# Altium PCB rxPcbM24.PcbDoc
Units mm, origin at the board's own origin, x right, y up, seen from the top; angles counter-clockwise.
Board outline 50.16 x 38.73 mm, 2 copper layers (Top Layer, Bottom Layer); 9 components, 16 nets, 54 pads, 0 vias.
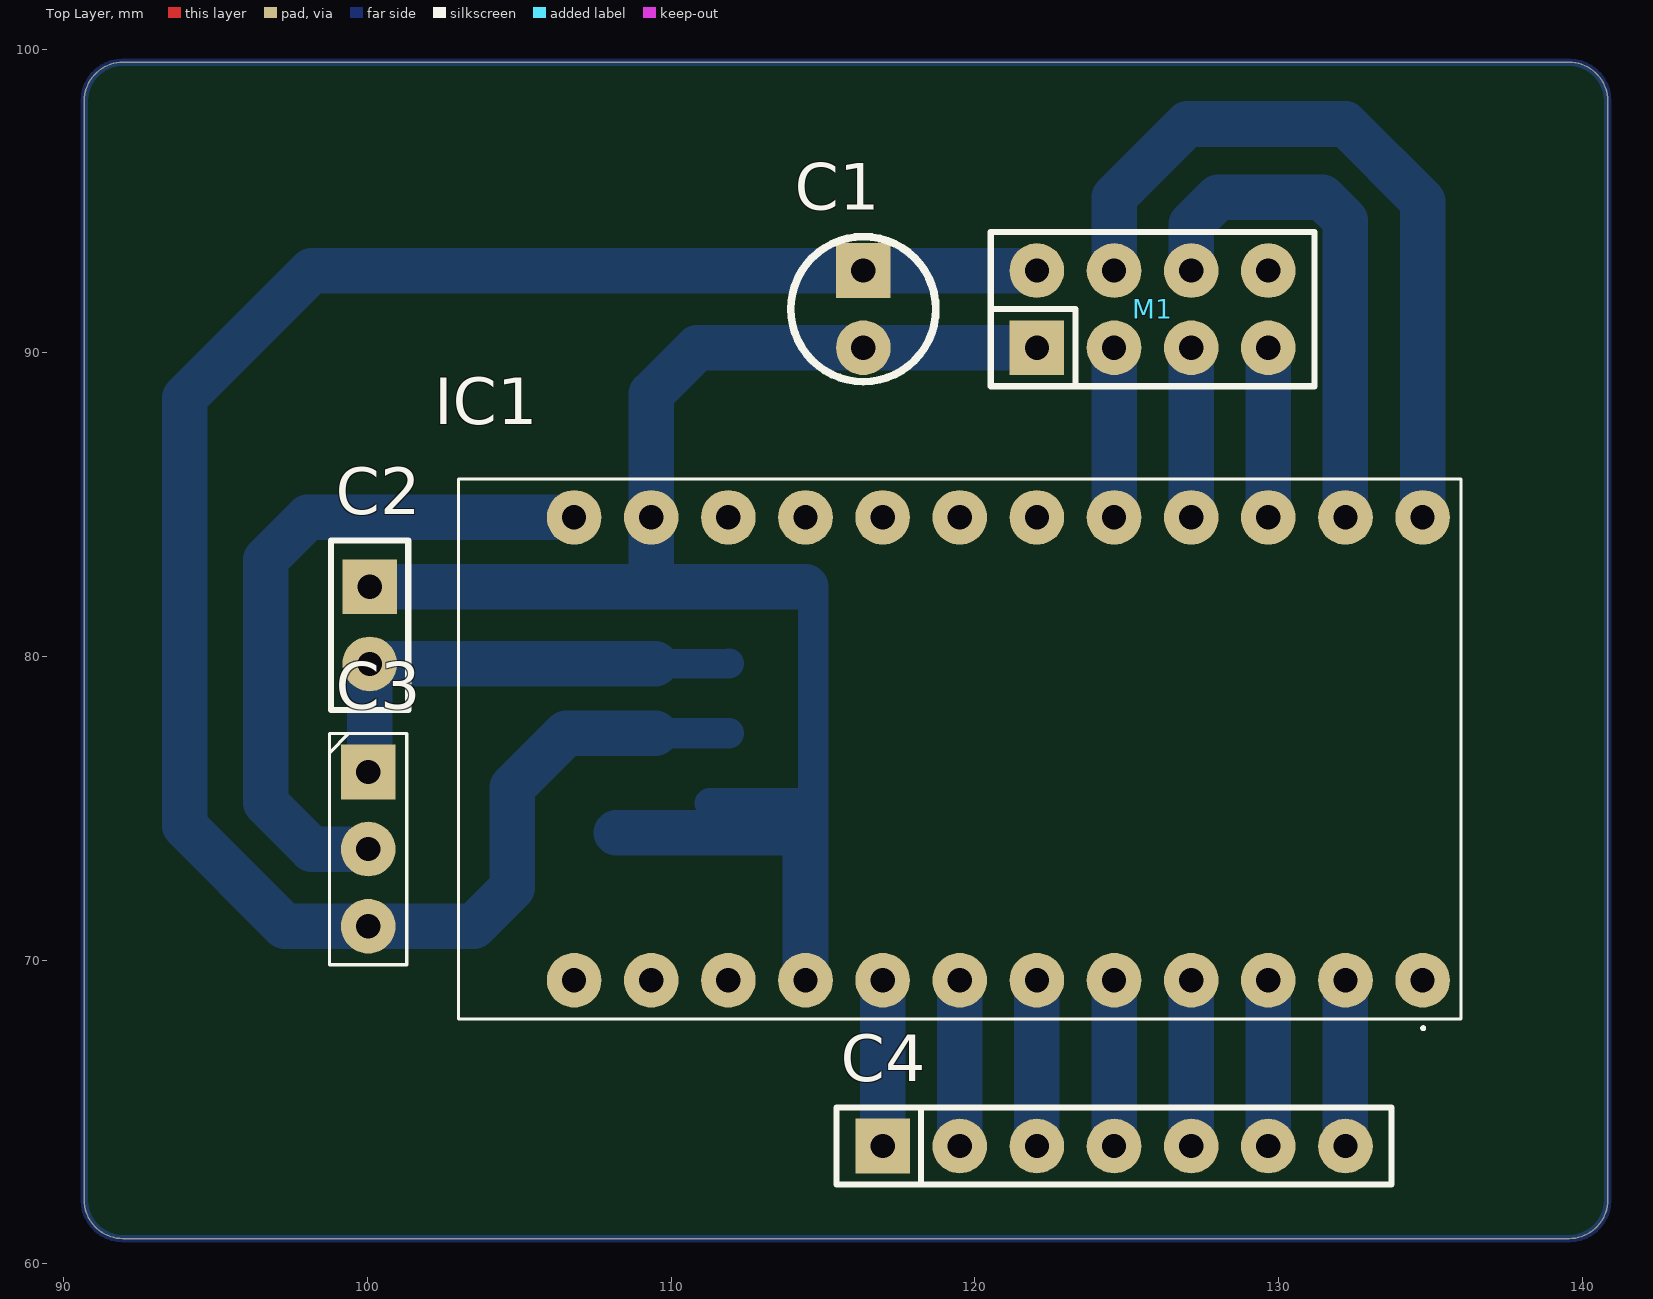
[diagram p0: Top Layer view]
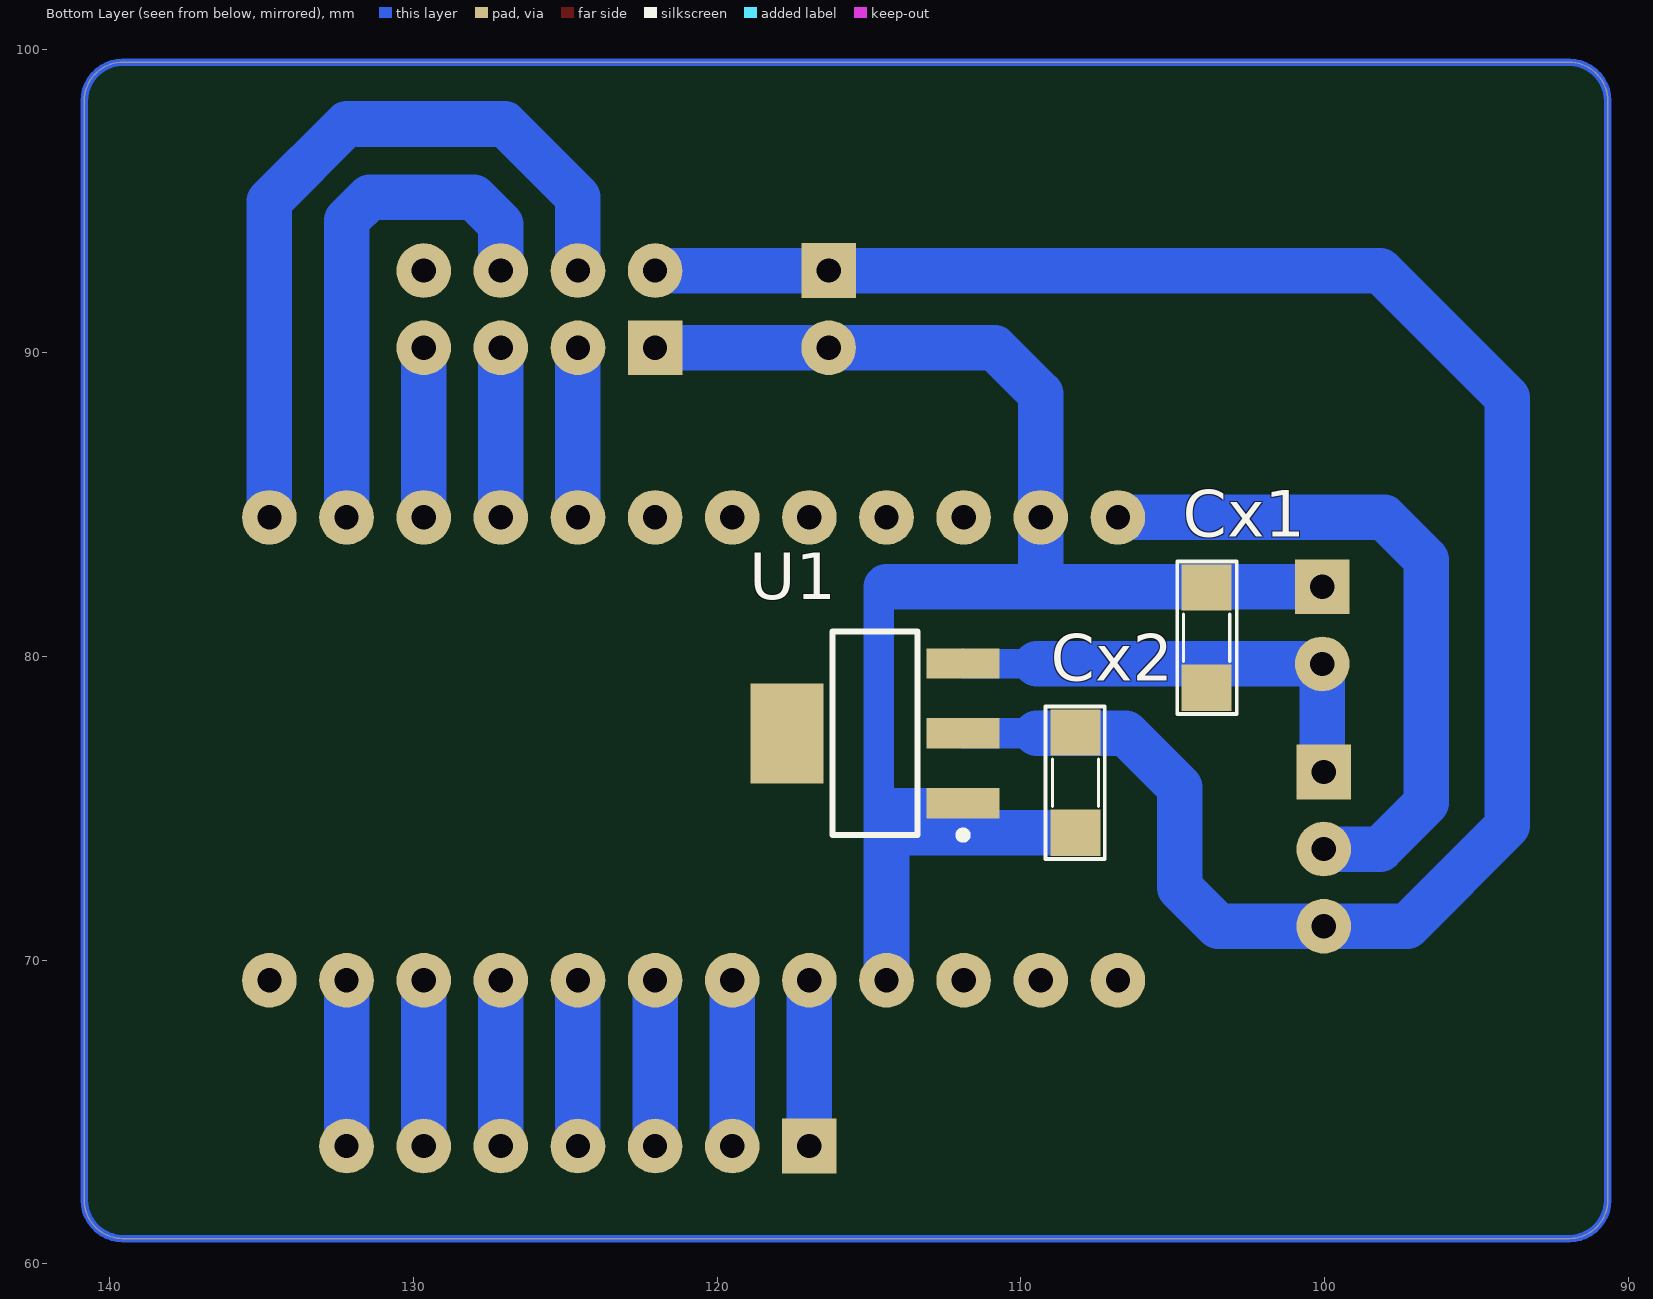
[diagram p1: Bottom Layer view, seen from below]

## Layer stack, top to bottom
Top Solder: solder mask 0.0102, Solder Resist, Dk 3.5
Top Layer: signal copper 0.0356
Dielectric 1: dielectric 0.32, FR-4, Dk 4.8
Bottom Layer: signal copper 0.0356
Bottom Solder: solder mask 0.0102, Solder Resist, Dk 3.5

## Board outline
90.678,62.103 90.678,98.298 cw(c91.948,98.298) 91.948,99.568 139.573,99.568 cw(c139.573,98.298) 140.843,98.298 140.843,62.103 cw(c139.573,62.103) 139.573,60.833 91.948,60.833 cw(c91.948,62.103)

## Design rules (kind name [scope] priority, off if disabled: settings)
Clearance [All] p1: gap=0.6 ignorepadtopadclearanceinfootprint=TRUE except(0.9: Arc-Fill Arc-Poly Arc-Region Track-Fill Track-Poly Track-Region SMDPad-Fill SMDPad-Poly SMDPad-Region THPad-Fill THPad-Poly THPad-Region Via-Fill Via-Poly Via-Region Fill-Fill Fill-Poly Fill-Region Poly-Poly Poly-Region Region-Region)
PolygonConnect [All] p1: connectstyle=Relief reliefconductorwidth=0.254 reliefentries=4 polygonreliefangle="90 Angle" airgapwidth=0.254
RoomDefinition rx [InComponentClass('rx')] p1: confinementstyle=ConfineIn formatcopy=TRUE lockcomponents=FALSE outline 141.986,62.357 152.273,62.357 152.273,70.485 141.986,70.485
RoutingVias [All] p1: holewidth=0.711 width=1.27 viastyle="Through Hole" minholewidth=0.711 minwidth=1.27 maxholewidth=0.711 maxwidth=1.27
SolderMaskExpansion [All] p1: expansion=0.102
Width [All] p1: maxlimit=3 minlimit=1 preferedwidth=1.5
30 further rules are at their usual default settings.

## Components (designator, comment, footprint, x,y, rotation, side; value= is the part's Value field where it differs from the comment)
C1 "CN-ALU-DIP" CA-ALU-2.54 116.332,91.44 r270 top value=104
C2 "JP2" JP2-C1T 100.076,82.296 r270 top
C3 "JP3" JP3-CLOSED 100.027,76.2 r270 top
C4 "JP7" JP7-C1T 116.967,63.881 r0 top
Cx1 "XXpF" CN-SMD-1206 103.886,80.645 r270 bottom value=33pF
Cx2 "XXpF" CN-SMD-1206 108.204,75.819 r90 bottom value=33pF
IC1 "Arduino_Pro_Mini_2" "ARDPROMINI 2" 134.747,69.342 r90 top
M1 "NRF24L01" NRF24L01 125.857,91.44 r0 top
U1 "LM1117-3.3V" SOT223 114.808,77.47 r90 bottom

## Footprints (in the part's own frame and the unit in brackets; to place one, negate y for a bottom-side part, rotate by r counter-clockwise, add the part's x,y. Pads: shape width x height; smd on the part's side, far side on the other; paste and mask are expansions set on the pad)
"ARDPROMINI 2" [mm]
  round 1.8 hole 0.8: 1(0,27.94) 2(0,25.4) 3(0,22.86) 4(0,20.32) 5(0,17.78) 6(0,15.24) 7(0,12.7) 8(0,10.16) 9(0,7.62) 10(0,5.08) 11(0,2.54) 12(0,0) 13(15.24,27.94) 14(15.24,25.4) 15(15.24,22.86) 16(15.24,20.32) 17(15.24,17.78) 18(15.24,15.24) 19(15.24,12.7) 20(15.24,10.16) 21(15.24,7.62) 22(15.24,5.08) 23(15.24,2.54) 24(15.24,0)
  silkscreen extent -1.63,-1.27 16.51,31.75, body extent -1.68,-2.03 16.92,31.97, height 16.45
CA-ALU-2.54 [mm]
  rect 1.8x1.8 hole 0.8: 1(-1.27,0)
  round 1.8 hole 0.8: 2(1.27,0)
  silkscreen extent -2.39,-2.39 2.39,2.39, body extent -2,-2.03 1.99,1.97, height 7.01
CN-SMD-1206 [mil]
  rect 60x65 smd: 1(-64,0) 2(66,0)
  silkscreen extent -98,-38 100,39, body extent -63,-31 63,31, height 40
JP2-C1T [mm] "2 row, straight, gold plating"
  rect 1.8x1.8 hole 0.8: 1(0,0)
  round 1.8 hole 0.8: 2(2.54,0)
  silkscreen extent -1.52,-1.27 4.06,1.27, body extent -1.52,-1.25 4.06,1.25, height 8.51
JP3-CLOSED [mm]
  rect 1.8x1.8 hole 0.8: 1(0,0)
  round 1.8 hole 0.8: 2(2.54,0) 3(5.08,0)
  silkscreen extent -1.27,-1.27 6.35,1.27, body extent -1.32,-1.27 6.35,1.27, height 7.62
JP7-C1T [mm] "7 row, straight, gold plating"
  rect 1.8x1.8 hole 0.8: 1(0,0)
  round 1.8 hole 0.8: 2(2.54,0) 3(5.08,0) 4(7.62,0) 5(10.16,0) 6(12.7,0) 7(15.24,0)
  silkscreen extent -1.52,-1.27 16.76,1.27, body extent -1.52,-1.25 16.76,1.25, height 8.51
NRF24L01 [mm]
  rect 1.8x1.8 hole 0.8: 1(-3.81,-1.27)
  round 1.8 hole 0.8: 2(-1.27,-1.27) 3(1.27,-1.27) 4(3.81,-1.27) 5(3.81,1.27) 6(1.27,1.27) 7(-1.27,1.27) 8(-3.81,1.27)
  silkscreen extent -5.33,-2.54 5.33,2.54, body extent -5.85,-2.79 9.15,26.21, height 15.4
SOT223 [mm]
  rect 1x2.4 smd: 1(-2.3,-2.9) 2(0,-2.9) 3(2.3,-2.9)
  rect 3.3x2.4 smd: 4(0,2.9)
  silkscreen extent -3.47,-3.02 3.35,1.4, body extent -3.25,-3.56 3.25,3.4, height 1.68

## Part data
C1: "Capacitor (Semiconductor SIM Model)", LatestRevisionDate=17-Jul-2002, LatestRevisionNote="Re-released for DXP Platform.", PackageReference=C1206, Publisher="Altium Limited"
C2: "WR-PHD 2.54 mm Angled Socket Header", Manufacturer="Würth Elektronik eiSos GmbH", partNo=613002143121, ComponentLink1 Description=Manufacturer, ComponentLink1URL=http://www.we-online.com, ComponentLink2 Description=Datasheet, ComponentLink2URL=http://katalog.we-online.de/em/datasheet/6130xx143121.pdf, Created by="Karrer Zheng", Created Date="29 March 2013", NoPins=02
C3: "WR-PHD 2.54 mm Angled Socket Header", Manufacturer="Würth Elektronik eiSos GmbH", partNo=613003143121, ComponentLink1 Description=Manufacturer, ComponentLink1URL=http://www.we-online.com, ComponentLink2 Description=Datasheet, ComponentLink2URL=http://katalog.we-online.de/em/datasheet/6130xx143121.pdf, Created by="Karrer Zheng", Created Date="29 March 2013", NoPins=03
C4: "WR-PHD 2.54 mm Angled Socket Header", Manufacturer="Würth Elektronik eiSos GmbH", partNo=613007143121, ComponentLink1 Description=Manufacturer, ComponentLink1URL=http://www.we-online.com, ComponentLink2 Description=Datasheet, ComponentLink2URL=http://katalog.we-online.de/em/datasheet/6130xx143121.pdf, Created by="Karrer Zheng", Created Date="29 March 2013", NoPins=07
Cx1 Cx2: library part CN
IC1: "Integrated Circuit", Manufacturer_Name=Gravitech, Manufacturer_Part_Number=ARD-PRO-MINI-5, Mouser Part Number=992-ARD-PRO-MINI-5, Datasheet Link=https://www.arduino.cc/en/Main/arduinoBoardProMini, Height=3mm, Mouser Price/Stock=https://www.mouser.co.uk/ProductDetail/Gravitech/ARD-PRO-MINI-5?qs=Vxac6xGyzPmFg4oEKErqiw%3D%3D
U1: library part LM1117, "800mA Low-Dropout Linear Regulator", Creator="Nguyen Ba Bien", Website=http://group3i.net

## Nets (pads, with @x,y where several pads share a name; then routed paths per layer and width w, separated by ;. In a path a pad name is that pad's centre, name@x,y a point inside that pad or via, vN(x,y) a via of type N, cw(c..) or ccw(c..) an arc to the next point about the centre after c; other vN are vias at no path point)
3V3: C1.1 C3.3 Cx2.2 M1.8 U1.2 | length 67.8
  Bottom Layer w1: 109.474,77.47 U1.2
  Bottom Layer w1.5: 109.474,77.47 106.553,77.47 104.775,75.692 104.775,72.39 103.505,71.12 C3.3 97.282,71.12 93.98,74.422 93.98,88.519 98.171,92.71 C1.1 M1.8
CE: IC1.20 M1.2 | length 5.6
  Bottom Layer w1.5: IC1.20 M1.2
CSN: IC1.24 M1.7 | length 25
  Bottom Layer w1.5: M1.7 124.587,95.123 127,97.536 132.207,97.536 134.747,94.996 IC1.24
GND: C1.2 C2.1 Cx1.1 Cx2.1 IC1.4 IC1.14 M1.1 U1.1 | length 57
  Bottom Layer w1: U1.1@111.273,75.17 U1.1 114.681,75.17 ; 114.681,73.787 114.681,75.17 ; 114.681,82.296 114.681,75.17
  Bottom Layer w1.5: C2.1 109.347,82.296 ; Cx2.1 114.402,74.193 114.427,74.168 IC1.4 ; 114.427,82.296 109.347,82.296 ; M1.1 C1.2 110.871,90.17 109.347,88.646 IC1.14 109.347,82.296
MISO: IC1.22 M1.4 | length 5.6
  Bottom Layer w1.5: IC1.22 M1.4
MOSI: IC1.23 M1.6 | length 17.1
  Bottom Layer w1.5: M1.6 127.127,94.234 128.016,95.123 131.445,95.123 132.207,94.361 IC1.23
NetC3_2: C3.2 IC1.13 | length 22.8
  Bottom Layer w1.5: C3.2 98.171,73.66 96.647,75.184 96.647,83.185 98.044,84.582 IC1.13
NetC4_1: C4.1 IC1.5 | length 5.5
  Bottom Layer w1.5: C4.1 IC1.5
NetC4_2: C4.2 IC1.6 | length 5.5
  Bottom Layer w1.5: C4.2 IC1.6
NetC4_3: C4.3 IC1.7 | length 5.5
  Bottom Layer w1.5: C4.3 IC1.7
NetC4_4: C4.4 IC1.8 | length 5.5
  Bottom Layer w1.5: C4.4 IC1.8
NetC4_5: C4.5 IC1.9 | length 5.5
  Bottom Layer w1.5: C4.5 IC1.9
NetC4_6: C4.6 IC1.10 | length 5.5
  Bottom Layer w1.5: C4.6 IC1.10
NetC4_7: C4.7 IC1.11 | length 5.5
  Bottom Layer w1.5: C4.7 IC1.11
SCK: IC1.21 M1.3 | length 5.6
  Bottom Layer w1.5: IC1.21 M1.3
VCC: C2.2 C3.1 Cx1.2 U1.3 | length 15.4
  Bottom Layer w1: 109.474,79.756 U1.3
  Bottom Layer w1.5: C3.1 100.076,76.249 C2.2 100.09,79.77 103.887,79.764 109.474,79.756
pads on no net: IC1.1 IC1.2 IC1.3 IC1.12 IC1.15 IC1.16 IC1.17 IC1.18 IC1.19 M1.5 U1.4
copper on no net: | length 175.6
  Bottom Layer w0.254: 90.678,62.103 ccw(c91.948,62.103) 91.948,60.833 139.573,60.833 ccw(c139.573,62.103) 140.843,62.103 140.843,98.298 ccw(c139.573,98.298) 139.573,99.568 91.948,99.568 ccw(c91.948,98.298) 90.678,98.298 90.678,62.103